# Altium PCB PCB1.PcbDoc
Units mm, origin at the board's own origin, x right, y up, seen from the top; angles counter-clockwise.
Board outline 88.01 x 101.6 mm, 2 copper layers (Top Layer, Bottom Layer); 58 components, 54 nets, 264 pads, 67 vias.
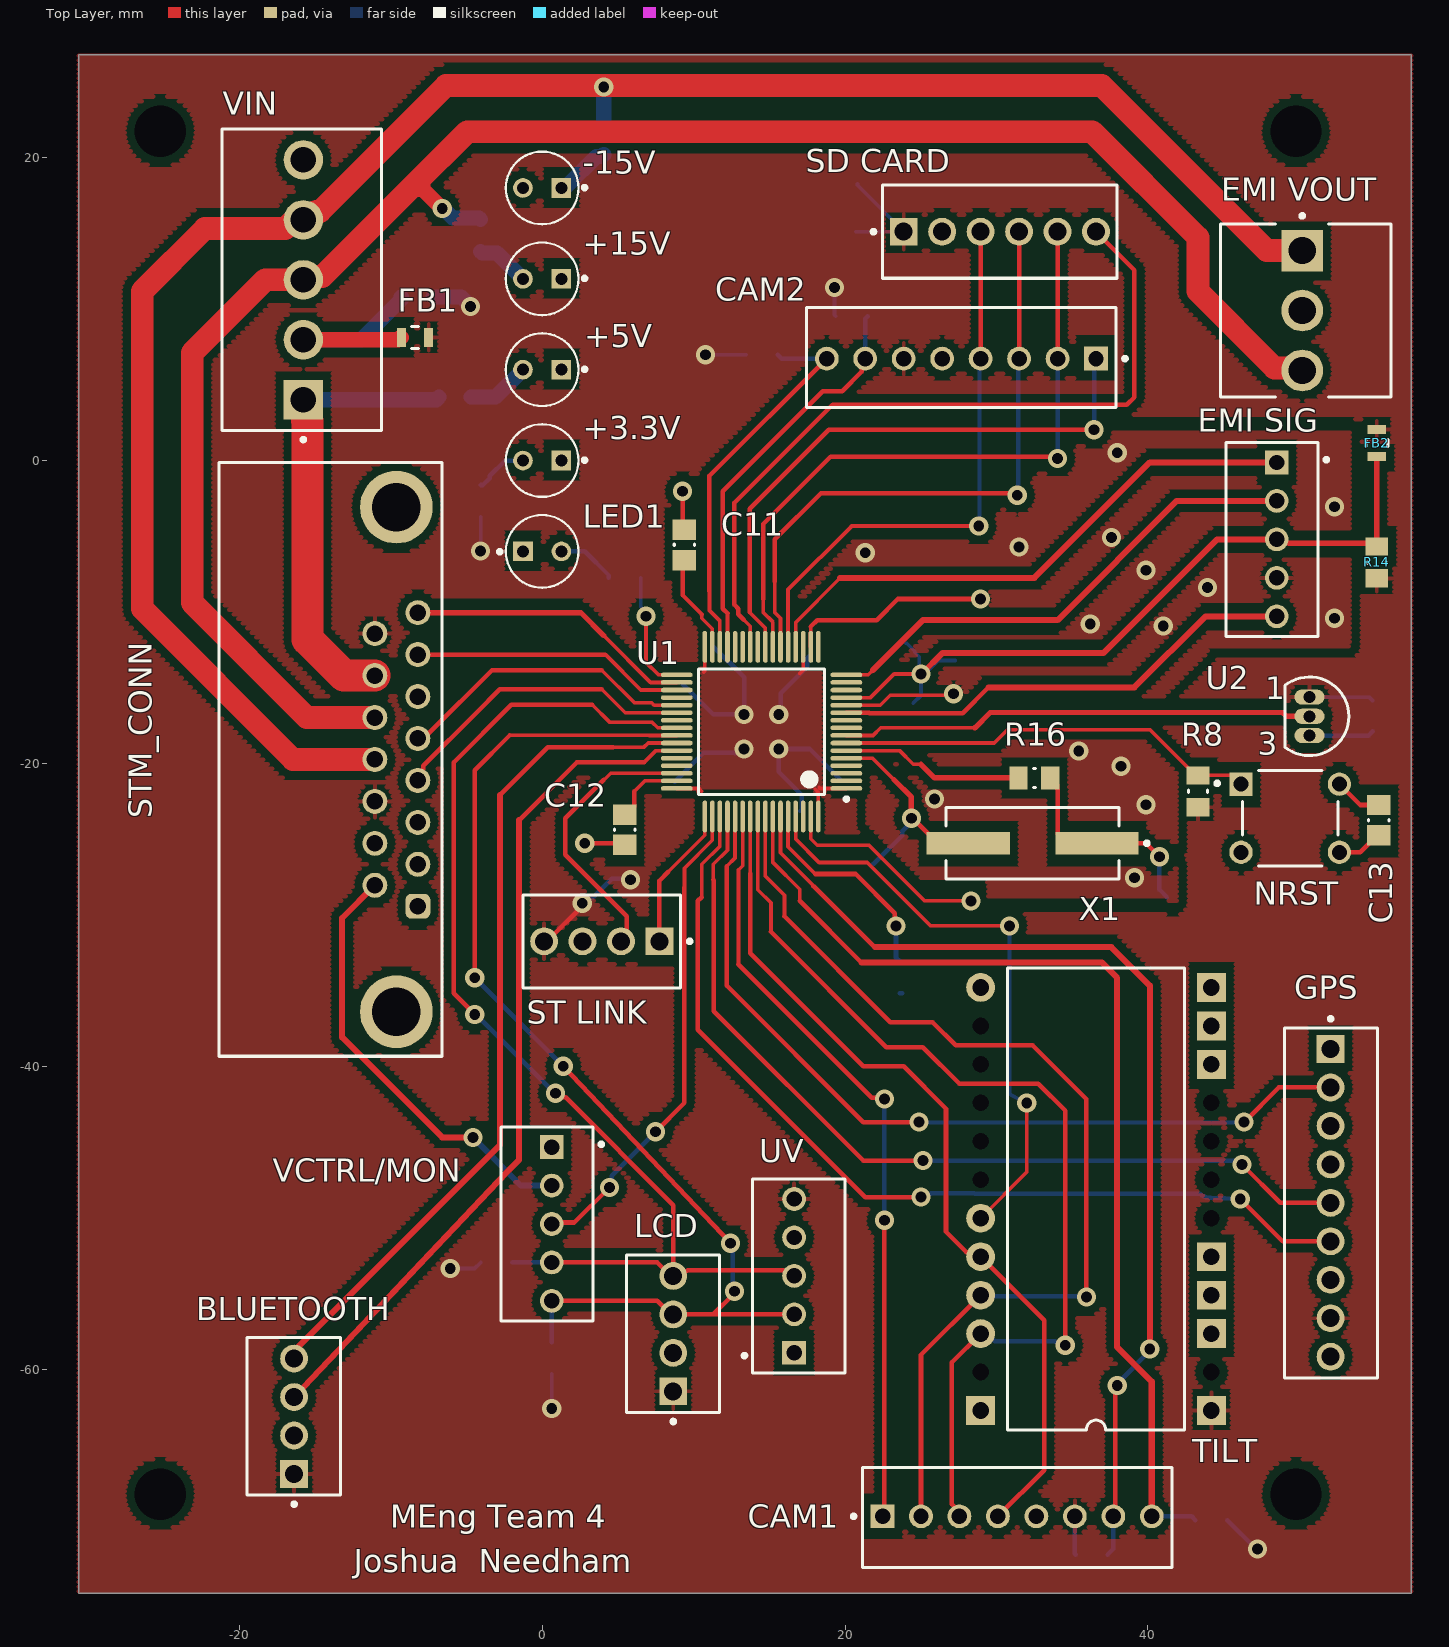
[diagram p0: Top Layer view]
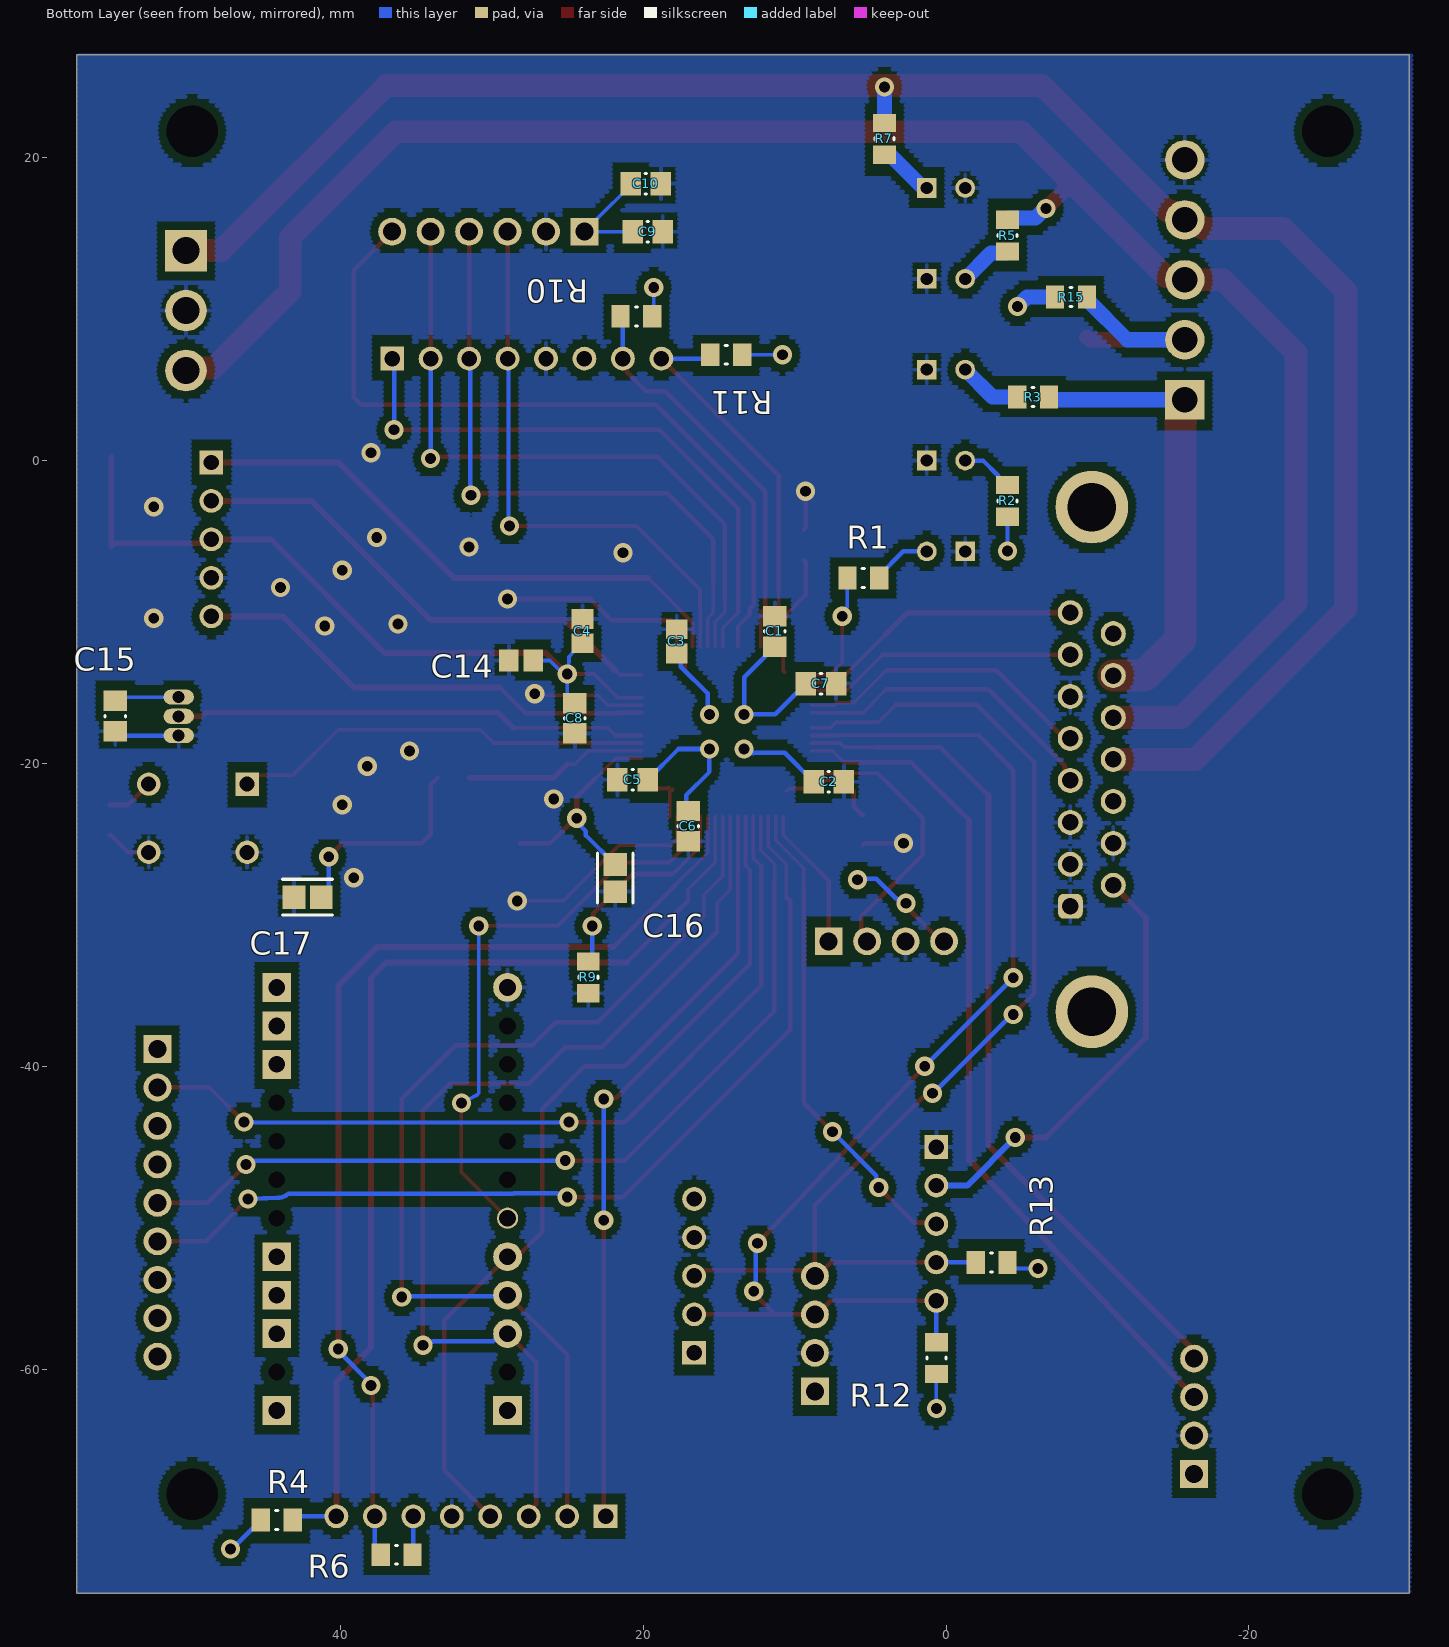
[diagram p1: Bottom Layer view, seen from below]
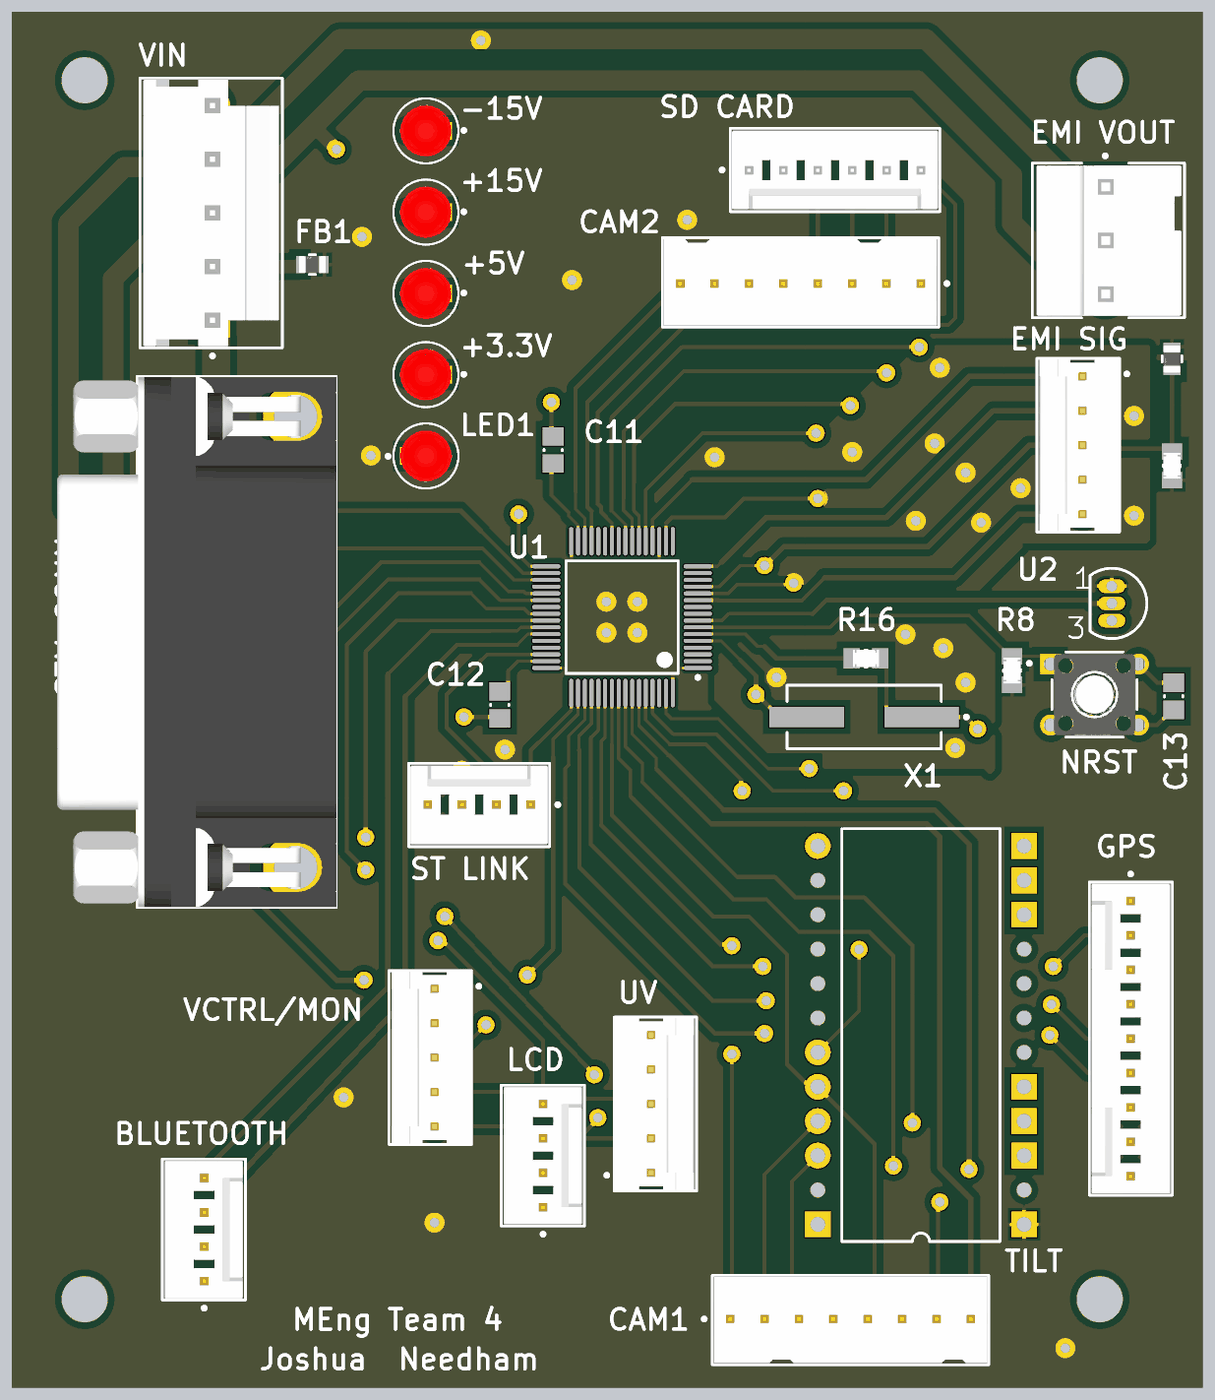
[diagram p2: 3D render of the assembled board from above, using the file's embedded part models]
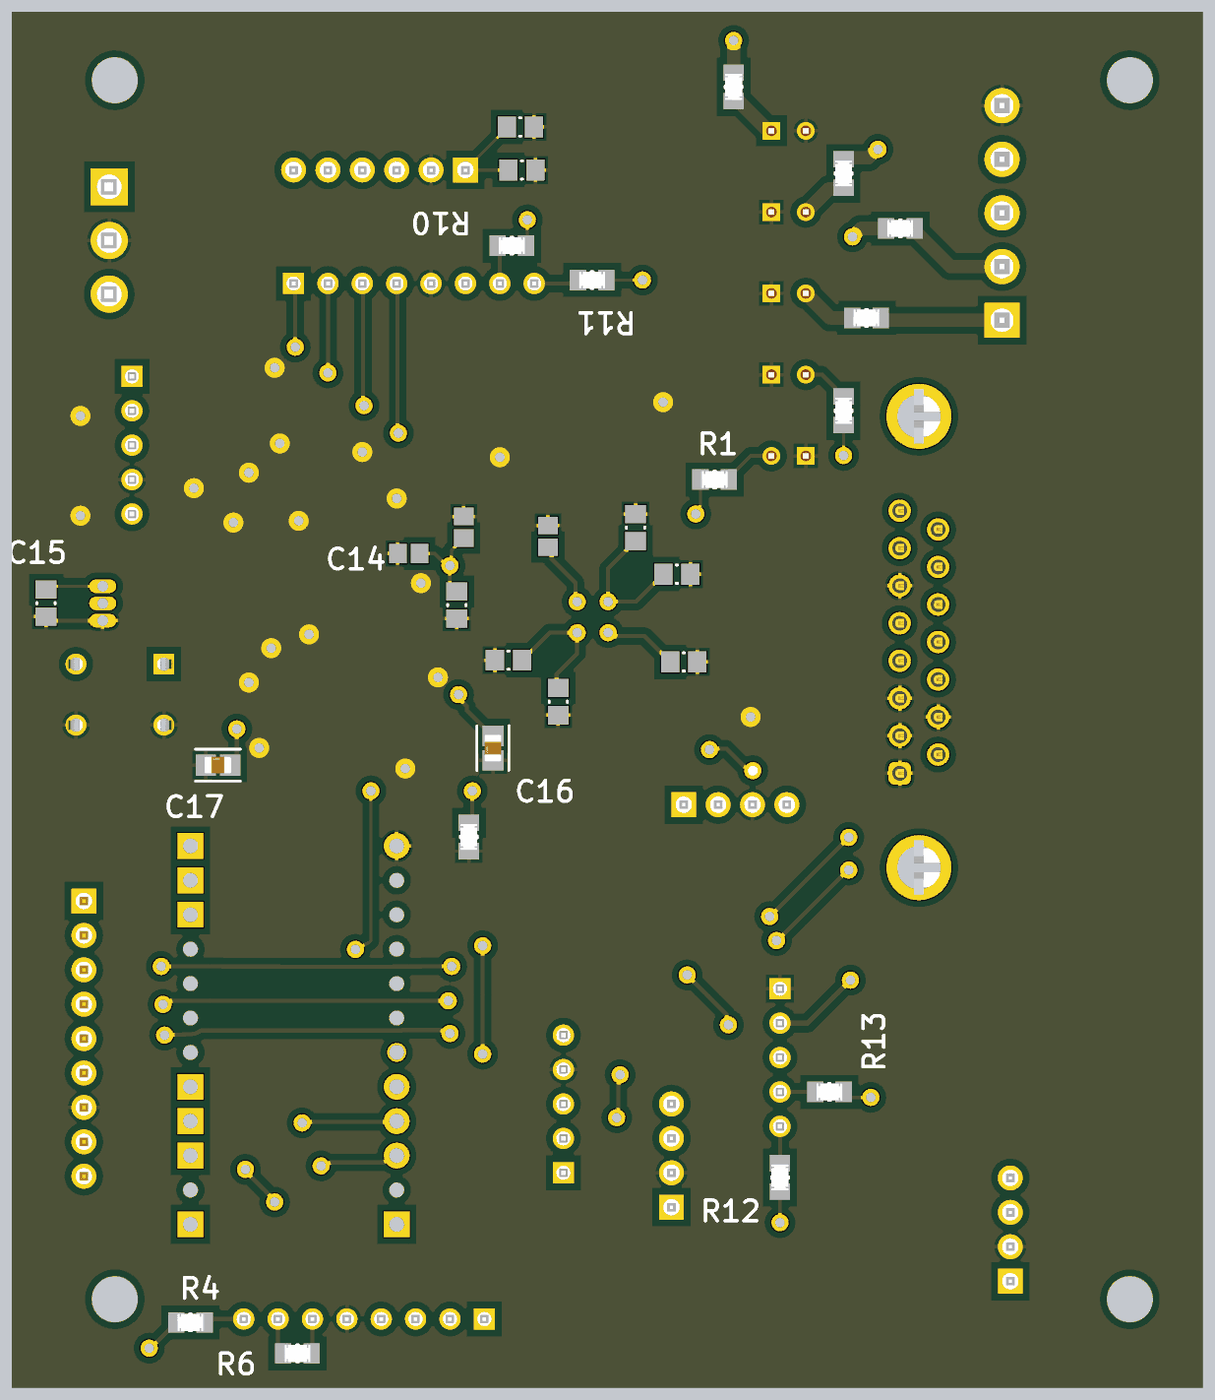
[diagram p3: 3D render of the assembled board from below, using the file's embedded part models]

## Layer stack, top to bottom
Top Solder: solder mask 0.0102, Solder Resist, Dk 3.5
Top Layer: signal copper 0.0356
Dielectric 1: dielectric 0.32, FR-4, Dk 4.8
Bottom Layer: signal copper 0.0356
Bottom Solder: solder mask 0.0102, Solder Resist, Dk 3.5

## Board outline
-30.607,-74.803 -30.607,26.797 57.404,26.797 57.404,-74.803

## Design rules (kind name [scope] priority, off if disabled: settings)
Clearance [All] p1: gap=0.5 ignorepadtopadclearanceinfootprint=FALSE
HoleSize [All] p1: absolutevalues=TRUE maxlimit=6 minlimit=0.025 maxpercent=80.000 minpercent=20.000
PlaneConnect PlaneConnect_3 [All] p1: pad.planeconnectstyle=Relief pad.reliefexpansion=0.508 pad.reliefentries=4 pad.reliefconductorwidth=0.254 pad.reliefairgap=0.254 via.planeconnectstyle=Direct via.reliefexpansion=0.508 via.reliefentries=4 via.reliefconductorwidth=0.254 via.reliefairgap=0.254
PlaneConnect PlaneConnect_2 [All] p2: pad.planeconnectstyle=Relief pad.reliefexpansion=0.508 pad.reliefentries=4 pad.reliefconductorwidth=0.254 pad.reliefairgap=0.254 via.planeconnectstyle=Direct via.reliefexpansion=0.508 via.reliefentries=4 via.reliefconductorwidth=0.254 via.reliefairgap=0.254
PlaneConnect PlaneConnect_1 [All] p3: pad.planeconnectstyle=Relief pad.reliefexpansion=0.508 pad.reliefentries=4 pad.reliefconductorwidth=0.254 pad.reliefairgap=0.254 via.planeconnectstyle=Direct via.reliefexpansion=0.508 via.reliefentries=4 via.reliefconductorwidth=0.254 via.reliefairgap=0.254
PlaneConnect [All] p4: pad.planeconnectstyle=Relief pad.reliefexpansion=0.508 pad.reliefentries=4 pad.reliefconductorwidth=0.254 pad.reliefairgap=0.254 via.planeconnectstyle=Direct via.reliefexpansion=0.508 via.reliefentries=4 via.reliefconductorwidth=0.254 via.reliefairgap=0.254
PolygonConnect [All] p1: thpad.connectstyle=Relief thpad.reliefconductorwidth=0.254 thpad.reliefentries=4 thpad.polygonreliefangle="90 Angle" thpad.airgapwidth=0.254 smdpad.connectstyle=Relief smdpad.reliefconductorwidth=0.254 smdpad.reliefentries=4 smdpad.polygonreliefangle="90 Angle" smdpad.airgapwidth=0.254 via.connectstyle=Direct via.reliefconductorwidth=0.254 via.reliefentries=4 via.polygonreliefangle="90 Angle" via.airgapwidth=0.254
RoutingVias [All] p1: holewidth=0.711 width=1.27 viastyle="Through Hole" minholewidth=0.711 minwidth=1.27 maxholewidth=0.711 maxwidth=1.27
SolderMaskExpansion [All] p1: expansion=0.102 istentingtop=FALSE
SupplyNets "Schematic Supply Nets" [InNet('+3.3V ADC Reference')] p1: voltage=0.000
SupplyNets "Schematic Supply Nets_7" [InNet('-15V')] p2: voltage=0.000
SupplyNets "Schematic Supply Nets_6" [InNet('+15V')] p3: voltage=0.000
SupplyNets "Schematic Supply Nets_5" [InNet('GND')] p4: voltage=0.000
SupplyNets "Schematic Supply Nets_3" [InNet('+5V')] p5: voltage=0.000
SupplyNets "Schematic Supply Nets_1" [InNet('+3.3V')] p6: voltage=0.000
Width [All] p1: maxlimit=5 minlimit=0.01 preferedwidth=0.3 toplayer_minwidth=0.23 minimp=50.000000 maximp=50.000000 favimp=50.000000
28 further rules are at their usual default settings.

## Components (designator, comment, footprint, x,y, rotation, side; value= is the part's Value field where it differs from the comment)
+3.3V "LTL-1CHEE" FP-LTL-1CHEE-MFG 0,0 r180 top
+5V "LTL-1CHEE" FP-LTL-1CHEE-MFG 0,6 r180 top
+15V "LTL-1CHEE" FP-LTL-1CHEE-MFG 0,12 r180 top
-15V "LTL-1CHEE" FP-LTL-1CHEE-MFG 0,18 r180 top
BLUETOOTH "HM-10" FP-22-29-2041-MFG -16.403,-63.119 r270 top
C1 "100nF" CAPC0805(2012)100_M 11.303,-11.287 r270 bottom
C2 "100nF" CAPC0805(2012)100_M 7.747,-21.209 r0 bottom
C3 "4.7uF" CAPC2013X140X50NL20T25 17.78,-11.938 r270 bottom
C4 "1uF" CAPC2013X140X50NL20T25 24.003,-11.265 r270 bottom
C5 "100nF" CAPC0805(2012)100_M 20.701,-21.082 r180 bottom
C6 "100nF" CAPC0805(2012)100_M 17.018,-24.146 r90 bottom
C7 "100nF" CAPC0805(2012)100_M 8.255,-14.732 r0 bottom
C8 "100nF" CAPC0805(2012)100_M 24.511,-17.018 r90 bottom
C9 "100nF" CAPC0805(2012)100_M 19.701,15.113 r0 bottom
C10 "10uF" CAPC0805(2012)100_M 19.828,18.288 r0 bottom value=100nF
C11 "2.2uF" CAPC0805(2012)100_M 9.398,-5.572 r270 top value=100nF
C12 "2.2uF" CAPC0805(2012)100_M 5.461,-24.384 r90 top value=100nF
C13 "100nF" CAPC0805(2012)100_M 55.245,-23.749 r90 top
C14 "4.7uF" CAPC2013X140X50NL20T25 28.067,-13.208 r180 bottom
C15 "100nF" CAPC0805(2012)100_M 54.864,-16.875 r90 bottom
C16 "27pF" FP-GRM21A-0_2-IPC_A 21.844,-27.571 r270 bottom
C17 "27pF" FP-GRM21A-0_2-IPC_A 42.164,-28.829 r0 bottom
CAM1 "Camera 1" FP-22-11-2082-MFG 31.374,-69.798 r0 top
CAM2 "Camera 2" FP-22-11-2082-MFG 27.681,6.806 r180 top
"EMI SIG" "EMI Connections" FP-3-641215-5-MFG 48.197,-5.207 r90 top
"EMI VOUT" "EMI Power" FP-09-65-2038-MFG 50.419,9.906 r90 top
FB1 "BLM21PG601SN1D" FP-BLM21-0_2-t0_85-e0_5-MFG -8.393,8.128 r180 top
FB2 "BLM21PG601SN1D" FP-BLM21-0_2-t0_85-e0_5-MFG 55.118,1.154 r270 top
GPS "GPS" FP-22-29-2091-MFG 52.09,-49.022 r90 top
LCD "LCD Screen" FP-22-29-2041-MFG 8.636,-57.658 r270 top
LED1 "LTL-1CHEE" FP-LTL-1CHEE-MFG 0,-6 r0 top
NRST "2-1825910-7" FP-2-1825910-7-MFG 49.403,-23.622 r90 top
R1 "650R" FP-CRCW0805-e3-IPC_A 5.461,-7.747 r0 bottom
R2 "650R" FP-CRCW0805-e3-IPC_A -4.064,-2.667 r270 bottom
R3 "1.5k" FP-CRCW0805-e3-IPC_A -5.75,4.191 r180 bottom
R4 "4k7" FP-CRCW0805-e3-IPC_A 44.196,-69.977 r180 bottom
R5 "6k" FP-CRCW0805-e3-IPC_A -4.064,14.859 r90 bottom
R6 "4k7" FP-CRCW0805-e3-IPC_A 36.287,-72.263 r0 bottom
R7 "6k" FP-CRCW0805-e3-IPC_A 4.064,21.244 r90 bottom
R8 "10 k" FP-CRCW0805-e3-IPC_A 43.307,-21.844 r270 top
R9 "10 k" FP-CRCW0805-e3-IPC_A 23.622,-34.128 r90 bottom
R10 "4k7" FP-CRCW0805-e3-IPC_A 20.447,9.525 r0 bottom
R11 "4k7" FP-CRCW0805-e3-IPC_A 14.513,6.985 r0 bottom
R12 "4k7" FP-CRCW0805-e3-IPC_A 0.635,-59.274 r90 bottom
R13 "4k7" FP-CRCW0805-e3-IPC_A -3.013,-52.959 r0 bottom
R14 "0R" FP-CRCW0805-e3-IPC_A 55.118,-6.731 r270 top
R15 "0R" FP-CRCW0805-e3-IPC_A -8.255,10.795 r180 bottom
R16 "0R" FP-CRCW0805-e3-IPC_A 32.512,-20.955 r180 top
"SD CARD" "SD Card" FP-22-27-2061-MFG 30.226,15.113 r0 top
"ST LINK" "ST-Link" FP-22-29-2041-MFG 3.937,-31.77 r0 top
STM_CONN "" 618015231321 -13.989,-19.74 r270 top
TILT "Tilt Sensor" DIP24 44.196,-62.738 r180 top
U1 "STM32F405RGT6" STM-LQFP64_M 14.49,-17.905 r180 top
U2 "TMP36GT9Z" ADI-T-3 50.673,-16.891 r180 top
UV "UV" FP-3-641215-5-MFG 16.954,-53.848 r270 top
VCTRL/MON "Power Board" FP-3-641215-5-MFG 0.318,-50.419 r90 top
VIN "Power Board Connector" FP-26-60-4050-MFG -15.875,11.938 r270 top
X1 "HCM49-8.000MABJ-UT" CFM-HCM49-2_V 32.385,-25.273 r180 top

## Footprints (in the part's own frame and the unit in brackets; to place one, negate y for a bottom-side part, rotate by r counter-clockwise, add the part's x,y. Pads: shape width x height; smd on the part's side, far side on the other; paste and mask are expansions set on the pad)
618015231321 [mm] "15 pins, right angled, 10.3mm, with hex screw"
  rrect50% 1.65x1.65 hole 1.09: 1(9.695,5.78)
  round 1.65 hole 1.09: 2(6.925,5.78) 3(4.155,5.78) 4(1.385,5.78) 5(-1.385,5.78) 6(-4.155,5.78) 7(-6.925,5.78) 8(-9.695,5.78) 9(8.31,2.94) 10(5.54,2.94) 11(2.77,2.94) 12(0,2.94) 13(-2.77,2.94) 14(-5.54,2.94) 15(-8.31,2.94)
  round 4.8 hole 3.2: M1(-16.66,4.36) M2(16.66,4.36)
  silkscreen extent -19.6,-7.36 19.6,7.37, body extent -19.58,-13.28 19.58,7.37, height 12.57
ADI-T-3 [mm] "TO, Flat Index; 3 In-Line, Axial Leads; Body Dia. 5.1mm; Leads 0.48 x 0.48 mm (max)"
  oval 2x1 hole 0.8: 1(0,-1.27) 2(0,0) 3(0,1.27)
  silkscreen extent -2.6,-2.6 1.6,2.6, body extent -2.6,-2.61 1.6,2.61, height 5.33
CAPC0805(2012)100_M [mm] "Chip Capacitor, Body 2.0x1.2mm, Height 1.0mm, IPC Low Density"
  rect 1.35x1.55 smd: 1(-1,0) 2(1,0)
  silkscreen extent -0.05,-0.67 0.05,0.67, body extent -1.1,-0.72 1.1,0.72, height 1
CAPC2013X140X50NL20T25 [mm] "Chip Capacitor, 2-Leads, Body 2.00x1.25mm, IPC Medium Density"
  rect 1.3x1.45 smd: 1(-0.8,0) 2(0.8,0)
  body extent -1.1,-0.72 1.1,0.72, height 1.4
CFM-HCM49-2_V [mm] "SMD, 2-Leads, Body 11.4x4.7mm, Pitch 8.5mm"
  rect 5.5x1.5 smd: 1(-4.25,0) 2(4.25,0)
  silkscreen extent -7.68,-2.35 5.7,2.35, body extent -5.7,-2.35 5.7,2.35, height 4.3
DIP24 [mm]
  rect 1.9x1.9 / inner rect 2.5x1.9 / far side rect 1.9x1.9 hole 1.1: 1(0,0)
  round 1.9 / inner oval 2.5x1.9 / far side round 1.9 hole 1.1: 2(15.24,-27.94) 3(15.24,-10.16) 4(15.24,-5.08)
  round 1.9 hole 1.1: 5(15.24,-7.62)
  round 1.9 / inner oval 2.5x1.9 / far side round 1.4 hole 1.1: 6(15.24,-12.7)
  round 0 hole 1.1: ""(0,-2.54) ""(0,-12.7) ""(0,-15.24) ""(0,-17.78) ""(0,-20.32) ""(15.24,-2.54) ""(15.24,-25.4) ""(15.24,-22.86) ""(15.24,-20.32) ""(15.24,-17.78) ""(15.24,-15.24)
  rect 1.9x1.9 hole 1.1: ""(0,-5.08) ""(0,-7.62) ""(0,-10.16) ""(0,-22.86) ""(0,-25.4) ""(0,-27.94) ""(15.24,0)
  silkscreen extent 1.79,-29.21 13.45,1.27
FP-2-1825910-7-MFG [mm]
  rect 1.54x1.54 hole 0.99 paste-2539.97 mask+0: 1(2.25,3.25)
  round 1.54 hole 0.99 paste-2539.97 mask+0: 2(2.25,-3.25) 3(-2.25,3.25) 4(-2.25,-3.25)
  silkscreen extent -3.15,-3.15 3.14,4.95, body extent -3.24,-4.12 3.24,4.12, height 0.25
FP-3-641215-5-MFG [mil]
  rect 61.65x61.65 hole 40 paste-99999 mask+0: 1(200,-12.5)
  round 61.65 hole 40 paste-99999 mask+0: 2(100,-12.5) 3(0,-12.5) 4(-100,-12.5) 5(-200,-12.5)
  silkscreen extent -252,-146 253,120, body extent -256,-124 256,124, height 10
FP-09-65-2038-MFG [mm]
  rect 2.75x2.75 hole 1.8 paste-2539.97 mask+0: 1(3.96,0.225)
  round 2.75 hole 1.8 paste-2539.97 mask+0: 2(0,0.225) 3(-3.96,0.225)
  silkscreen extent -5.71,-5.63 6.37,5.62, body extent -5.81,-5.72 5.81,5.72, height 0.25
FP-22-11-2082-MFG [mm]